# Allegro board C000PD020-3399PRO-DMEB-A-A01.brd (continued)
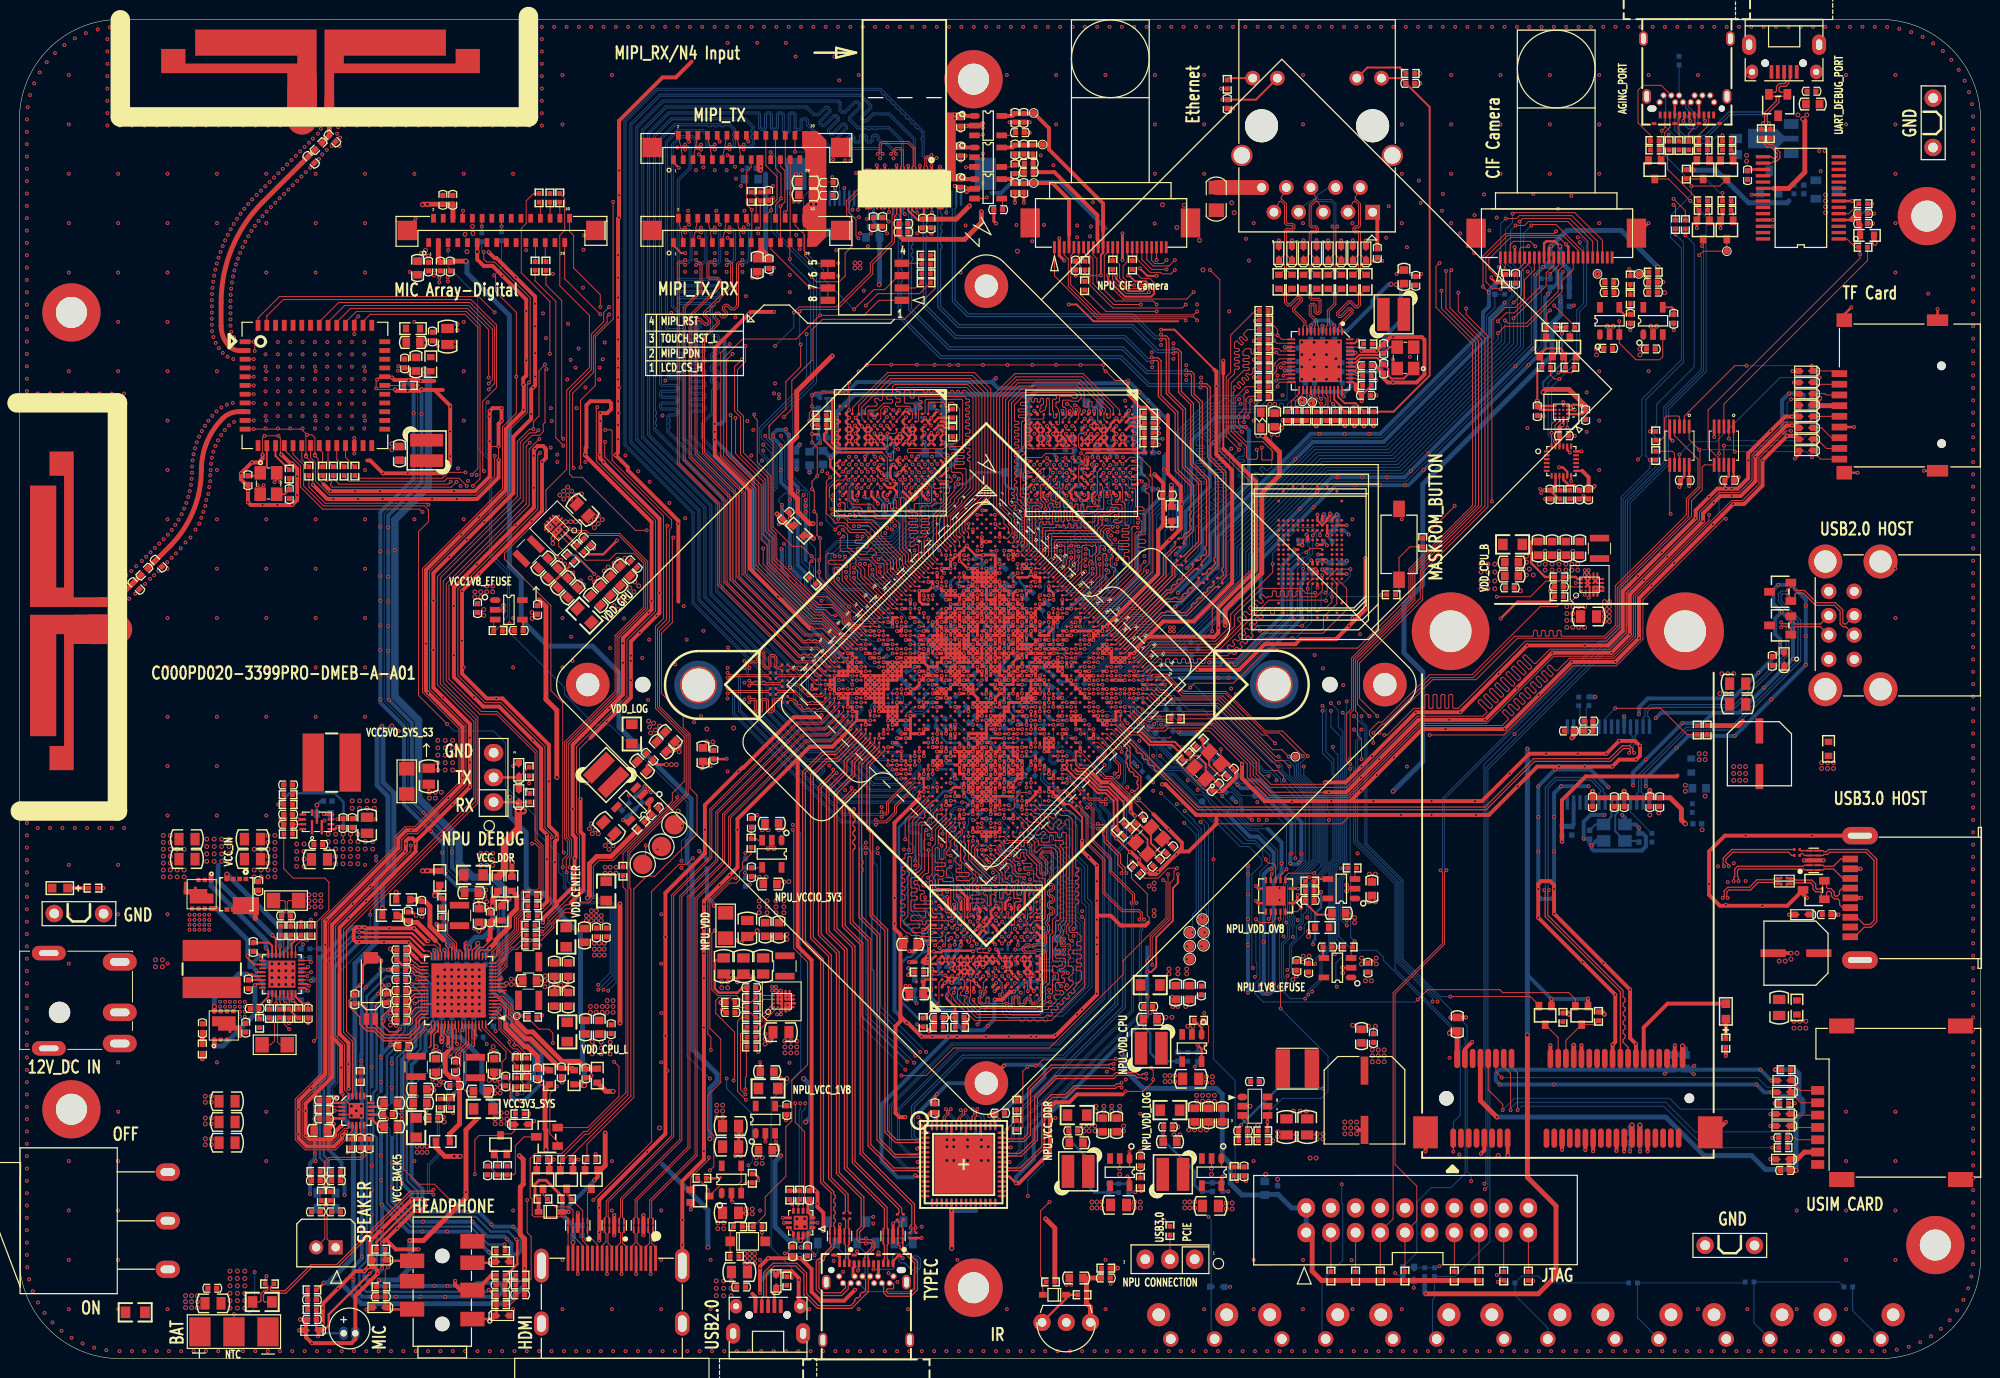
[diagram p0: board, top side]
## Nets (continued)
U3600.T3(VSS17) U3600.T4(VSS18) U3600.T5(VSS19) U3600.T6(VSSQ18) U3600.T12(VSSQ19) U3601.B2(VSS1) U3601.B5(VSS2) U3601.B6(VSSQ1) U3601.B12(VSSQ2) U3601.C3(VSSCA1) U3601.C5(VSS3) U3601.C6(VSSQ3) U3601.D3(VSSCA2) U3601.D12(VSSQ4) U3601.E4(VSS4) U3601.E5(VSS5) U3601.E6(VSSQ5) U3601.F4(VSSCA3) U3601.F5(VSS6) U3601.F6(VSSQ6) U3601.F12(VSSQ7) U3601.G3(VSSCA4) U3601.G4(VSSCA5) U3601.G6(VSSQ8) U3601.G9(VSSQ9) U3601.H2(VSS7) U3601.H10(VSSQ10) U3601.J4(VSSCA6) U3601.J12(VSS8) U3601.K2(VSS9) U3601.K10(VSSQ11) U3601.L6(VSS10) U3601.L9(VSSQ12) U3601.M4(VSSCA7) U3601.M5(VSS11) U3601.M6(VSSQ13) U3601.M12(VSSQ14) U3601.N4(VSS12) U3601.N5(VSS13) U3601.N6(VSSQ15) U3601.P3(VSSCA8) U3601.P12(VSSQ16) U3601.R4(VSS14) U3601.R5(VSS15) U3601.R6(VSSQ17) U3601.T2(VSS16) U3601.T3(VSS17) U3601.T4(VSS18) U3601.T5(VSS19) U3601.T6(VSSQ18) U3601.T12(VSSQ19) U4100.AA4(VSSQ2) U4100.AA6(VSSQ1) U4100.H6(VSS5) U4100.K4(VSSQ5) U4100.M7(VSS4) U4100.P5(VSS3) U4100.R10(VSS2) U4100.T5(VSS6) U4100.U8(VSS1) U4100.Y2(VSSQ4) U4100.Y5(VSSQ3) U4700.2(GND) U4701.2(GND) U4800.2(GND) U4801.2(GND) U4817.2(GND) U6100.1(GND_1) U6100.3(GND_2) U6100.4(GND_3) U6100.5(GND_4) U6100.6(GND_5) U6100.7(GND_6) U6100.8(GND_7) U6100.10(GND_8) U6100.11(GND_9) U6100.23(GND_10) U6100.32(GND_11) U6100.39(GND_12) U6500.47(GND) U6500.49(GND(EPAD)) U7500.4(GNDD) U7500.13(GNDA) U7500.21(PAD) U8200.3(GND#3) U8200.8(GND#8) U8201.3(GND#3) U8201.8(GND#8) U8202.3(GND#3) U8202.8(GND#8) U8300.2(GND) U9000.11(FSYNC) U9000.18(GND) U9000.20(RESV2) U9001.C1(VSS) U9001.D2(CAD1) U9002.2 U9600.2(GND) U9601.2(GND) U9700.7(GND1) U9700.18(GND2) U9700.21(GND3) U9700.25(AGND) U9700.26(TEST) U9701.3 U9702.5(GND) U9702.9(/OE) U9703.2(GND) U9704.5(GND) U9704.9(/OE) U9705.4(GND#4) U9705.7(GND#7) U9705.10(GND#10) U9705.33(GND#33) U9705.36(GND#36) U9705.39(GND#39) U9705.46(GND#46) U9705.49(GND#49) U9705.52(GND#52) U9705.57(E-PAD) U?.47(GNDREF) U?.69(EPAD) Y1100.2(GND#2) Y1100.4(GND#4) Y1101.2(GND#2) Y1101.4(GND#4) Y2100.3 Y2800.2(GND#2) Y2800.4(GND#4) Y6100.2(GND#2) Y6100.4(GND#4) Y6500.2(GND#2) Y6500.4(GND#4)
VBUS_ON: Q9702.1(GATE) R9716.1 R9724.2
VBUS_TYPEC0: C2610.1 C2611.1 C2615.1 J2600.A4(VBUS_1) J2600.A9(VBUS_2) J2600.B4(VBUS_3) J2600.B9(VBUS_4) J2601.1(VUSB) R2611.1 U2600.2(VBUS) U2606.1(VOUT)
VBUS_TYPEC_TEST: C9707.1 J9702.A4(VBUS_1) J9702.A9(VBUS_2) J9702.B4(VBUS_3) J9702.B9(VBUS_4) Q9700.3(DRAIN) U9703.3(IN)
VCC1V5_DVP_S0: C4601.1 C4602.1 C4709.1 J4600.22(DVDD1.5V) R2106.2 R4704.1
VCC1V5_DVP_S0_P: C2112.1 R2106.1 U?.29(LDO5 400MA)
VCC1V5_NPU_CIF: C4809.1 C4847.1 R4804.1 TP4814.1 U4817.5(OUT)
VCC1V8_DDR: C3608.1 C3609.1 C3610.1 C3611.1 C3612.1 C3621.1 C3622.1 C3623.1 C3624.1 C3625.1 R3650.2 U3600.A3(VDD1_1) U3600.A4(VDD1_2) U3600.A5(VDD1_3) U3600.A6(VDD1_4) U3600.A10(VDD1_5) U3600.U3(VDD1_6) U3600.U4(VDD1_7) U3600.U5(VDD1_8) U3600.U6(VDD1_9) U3600.U10(VDD1_10) U3601.A3(VDD1_1) U3601.A4(VDD1_2) U3601.A5(VDD1_3) U3601.A6(VDD1_4) U3601.A10(VDD1_5) U3601.U3(VDD1_6) U3601.U4(VDD1_7) U3601.U5(VDD1_8) U3601.U6(VDD1_9) U3601.U10(VDD1_10)
VCC1V8_DVP: C4603.1 C4604.1 C4703.1 C4704.1 J4600.24(DOVDD1.8V) R4703.1 TP4717.1 U4700.5(OUT)
VCC1V8_EFUSE: C1106.1 C9600.1 R1103.1 U1000.T24(EFUSE) U9600.5(OUT)
VCC1V8_NPU_CIF: C4803.1 C4804.1 J4800.11(DOVDD) R4802.1 TP4817.1 U4800.5(OUT)
VCC2V8_DVP: C4605.1 C4606.1 C4707.1 C4708.1 J4600.17(AVDD2.8V) J4600.18(AF) J4700.4(AVDD) TP4718.1 U4701.5(OUT)
VCC2V8_NPU_CIF: C4807.1 C4808.1 J4800.4(AVDD) TP4818.1 U4801.5(OUT)
VCC3V3_FT232: C9704.1 U9700.17(VO-3V3)
VCC3V3_HUB_S3: C2805.1 C2818.1 FB2800.2 FB2801.2 R2801.2 R2802.1 R2806.2 U2800.24(V33)
VCC3V3_PCIE_S0: C8302.1 C8303.1 C8304.1 C8305.1 C8306.1 C8310.1 C8311.1 C8312.1 C8313.1 J8300.2(3.3VAUX) J8300.24(+3.3VAUX#24) J8300.39(+3.3VAUX#39) J8300.41(+3.3VAUX#41) J8300.52(+3.3VAUX#52) L8300.2 R8302.1 R8303.1 R8304.1 R8305.1
VCC3V3_SD_S0: C9100.1 C9101.1 D9100.1 J9100.4(VDD) R2113.2
VCC3V3_SD_S0_P: C2120.1 R2113.1 U?.6(LDO9 400MA)
VCC3V3_SYS_P: C2107.1 L2101.2 R2103.1 U?.64(FB4)
VCC3V3_SYS_S3: C1404.1 C1407.1 C1433.1 C2123.1 C2608.1 C4104.1 C4105.1 C4706.1 C4721.1 C4806.1 C4821.1 C4845.1 C6110.1 C6111.1 C9601.1 C9603.1 C9708.1 C9710.1 C9939.1 C9940.1 C9941.1 C9942.1 J9711.1 R2103.2 R2806.1 R6112.2 R9006.1 R9827.1 U1000.AA22(USB30_AVDD_3V3) U1000.AB18(TYPEC0_AVDD_3V3) U1000.Y24(USB20_AVDD_3V3) U2102.19(VDD#19) U2102.43(OE) U2102.55(VDD#55) U2600.3(VDD_3) U2600.4(VDD_4) U4100.M6(VCC4) U4100.N5(VCC3) U4100.T10(VCC2) U4100.U9(VCC1) U4700.1(IN) U4701.1(IN) U4800.1(IN) U4801.1(IN) U4817.1(IN) U9600.1(IN) U9601.1(IN) U9702.10(VCC) U9704.10(VCC) U9705.19(VDD#19) U9705.43(OE) U9705.55(VDD#55) U?.57(VCC8)
VCC5V0_FT232: C9702.1 C9703.1 J9701.1(VUSB) U9700.20(VDD-5V) U9703.1(OUT)
VCC5V0_HDM_PORT: C8200.1 C8201.1 D8200.2(K) J8200.18 R8202.1 R8204.1
VCC5V0_HOST0: C2500.1 C2501.1 C2510.1 ED2500.1 J2501.1(VBUS) R2501.2
VCC5V0_HUB_HOST: C2800.1 C2801.1 C2802.1 C2816.1 ED2802.1 J2800.A1(VBUS_A) J2800.B1(VBUS_B) R2805.2 R2807.1
VCC5V0_SYS_S3: C2006.1 C2101.2 C2102.1 C2110.1 C2118.1 C2126.1 C2134.1 C2200.1 C2203.1 C2212.1 C2218.1 C2228.1 C2237.1 C2242.1 C2270.1 C2612.1 C2613.1 C2614.1 C5004.1 C5005.1 C5100.1 C5101.1 C5104.1 C5105.1 C7500.1 C7501.1 D8200.1(A) J5000.28(VSYS_0) J5000.29(VSYS_1) J5000.30(VSYS_2) J5100.28(VSYS_0) J5100.29(VSYS_1) J5100.30(VSYS_2) J5101.28(VCC_VSYS_0) J5101.29(VCC_VSYS_1) J5101.30(VCC_VSYS_2) J7500.1 J7500.2 Q8202.1(GATE) R2000.2 R2020.1 R2630.1 U2200.D1(VIN_1) U2200.D2(VIN_2) U2200.E1(VIN_3) U2200.E2(VIN_4) U2201.D1(VIN_1) U2201.D2(VIN_2) U2201.E1(VIN_3) U2201.E2(VIN_4) U2202.4(VIN) U2203.4(VIN) U2205.4(VIN) U2206.D1(VIN_1) U2206.D2(VIN_2) U2206.E1(VIN_3) U2206.E2(VIN_4) U2208.1(IN) U2209.4(VIN) U2600.12(VCONN_12) U2600.13(VCONN_13) U2606.5(IN) U?.4(VCC7) U?.10(VCC2) U?.11(VCC1) U?.24(VCC3) U?.33(VCC_SPK_HP) U?.54(VCC9) U?.66(VCC4)
VCC5V0_TYPEC0_EN: Q2600.1(GATE) U1000.L34(DDRIO_PWROFF/GPIO0_A1_U)
VCC5V0_USB2.0_S0: C2122.1 R2501.1 R2805.1 U?.55(2.1A SWOUT1)
VCC12V_DCIN: J2000.1 Q9701.3(DRAIN) S2000.1(P1)
VCC_0V9_S0: C1704.1 C1713.1 C1722.1 R2105.2 U1000.AA16(HDMI_AVDD_0V9_1) U1000.AA17(HDMI_AVDD_0V9_2) U1000.H20(EDP_AVDD_0V9)
VCC_0V9_S0_P: C2104.1 R2105.1 U?.20(LDO3 100MA)
VCC_0V9_S3: C1108.1 C1109.1 C1222.1 C1224.1 C1300.1 C1402.1 C1405.1 R1202.1 R1203.1 R1420.2 R1422.2 R2100.2 U1000.L24(EMMC_COREDLL_0V9) U1000.R17(PLL_AVDD_0V9) U1000.R24(PMU_VDD_0V9) U1000.Y18(TYPEC0_AVDD_0V9_2) U1000.Y19(TYPEC0_AVDD_0V9_1) U1000.Y21(USB30_AVDD_0V9_1) U1000.Y22(USB30_AVDD_0V9_2)
VCC_0V9_S3_P: C2100.1 R2100.1 U?.23(LDO1 400MA)
VCC_1P8A: C2138.1 U?.44(VCC_1P8A)
VCC_1P8D: C2137.1 U?.48(VCC_1P8D)
VCC_1V5_S0: C1501.1 R1514.1 R2107.2 U1000.AC8(APIO4_VDDPST)
VCC_1V5_S0_P: C2113.1 R2107.1 U?.31(LDO6 400MA)
VCC_1V8_S0: C1503.1 C1504.1 C1703.1 C1714.1 C1723.1 C1900.1 C1901.1 C1902.1 C7502.2 C7504.1 C7511.1 C9000.1 C9001.1 C9002.1 C9003.1 J7500.6 Q9404.1(GATE) Q9405.1(GATE) R1708.2 R1709.2 R1710.2 R1903.1 R2104.2 R9005.1 R9427.1 R9429.1 U1000.AA8(APIO5_VDDPST) U1000.AD16(HDMI_AVDD_1V8) U1000.J19(EDP_AVDD_1V8_1) U1000.J20(EDP_AVDD_1V8_2) U1000.J22(APIO1_VDDPST) U1000.J24(APIO2_VDDPST) U1000.K23(APIO2_VDD) U1000.Y8(APIO5_VDD) U7500.1(VDDP) U9000.8(VDDIO) U9000.13(VDD) U9000.22(NCS) U9001.A2(CSB) U9001.C4(VID) U9001.D4(RST)
VCC_1V8_S0_P: C2109.1 R2104.1 U?.28(LDO4 400MA)
VCC_1V8_S3: C1104.1 C1105.1 C1107.1 C1110.1 C1111.1 C1301.1 C1403.1 C1406.1 C1505.1 C1602.1 C4101.1 C4102.1 C4103.1 FB1400.2 Q8300.1(GATE) Q8301.1(GATE) R1120.2 R1121.2 R1421.2 R1500.2 R1508.1 R1512.2 R2101.2 R2119.1 R2120.1 R2121.1 R2128.1 R2201.1 R2202.1 R2601.1 R2602.1 R3650.1 R4101.1 R6114.1 R7003.1 R9020.1 U1000.AA18(TYPEC0_AVDD_1V8) U1000.AA21(USB30_AVDD_1V8) U1000.AA24(ADC_AVDD) U1000.AB8(APIO3_VDD_1V8) U1000.K24(EMMC_VDD_1V8) U1000.N24(PMUIO2_VDDPST) U1000.P18(PLL_AVDD_1V8) U1000.P23(PMUIO2_VDD) U1000.P24(PMUIO1_VDD_1V8) U1000.P25(PMU_VDD_1V8) U1300.2(VCCA) U4100.AA3(VCCQ2) U4100.AA5(VCCQ1) U4100.K6(VCCQ5) U4100.W4(VCCQ4) U4100.Y4(VCCQ3)
VCC_1V8_S3_P: C2108.1 R2101.1 U?.21(LDO2 400MA)
VCC_BAT: BT2000.1(V+) C2032.2 C2034.1 C2037.1 C2129.2 R2022.2 R2026.1 R2117.2
VCC_BUCK5_P: C2124.1 C2125.1 L2104.1 R2116.1 U?.59(FB5)
VCC_BUCK5_S3: C2103.1 C2111.1 C2226.1 C2240.1 R2116.2 R2272.1 U2204.1(IN) U2207.1(IN) U?.22(VCC5) U?.30(VCC6)
VCC_CHARGE: C2019.1 C2029.1 C2038.1 R2011.1 R2014.1 S2000.2(P2)
VCC_CPVDD: C2135.1 U?.38(VCC_CPVDD)
VCC_CPVSS: C2136.1 U?.35(VCC_CPVSS)
VCC_DDR_P: C2117.1 L2103.2 R2109.1 R2112.2 U?.26(VBUCK3)
VCC_DDR_S3: C1200.1 C1201.1 C1202.1 C1203.1 C1204.1 C1205.1 C1206.1 C1207.1 C1208.1 C1209.1 C1211.1 C1213.1 C1214.1 C1215.1 C1216.1 C1217.1 C1218.1 C1219.1 C1220.1 C1221.1 C3600.1 C3601.1 C3602.1 C3603.1 C3604.1 C3605.1 C3606.1 C3607.1 C3613.1 C3614.1 C3615.1 C3616.1 C3617.1 C3618.1 C3619.1 C3620.1 C3626.1 C3627.1 C3628.1 C3629.1 C3630.1 C3631.1 C3632.1 C3633.1 C3634.1 C3635.1 C3636.1 C3637.1 C3638.1 C3639.1 C3640.1 C3641.1 C3642.1 C3643.1 R1200.1 R1201.1 R2109.2 R3604.1 R3605.1 R3606.1 R3607.1 U1000.J11(DDR1_VDD_1) U1000.J12(DDR1_VDD_2) U1000.J13(DDR1_VDD_3) U1000.J14(DDR1_VDD_4) U1000.J15(DDR1_VDD_5) U1000.J16(DDR1_VDD_6) U1000.J17(DDR1_VDD_7) U1000.J18(DDR1_VDD_8) U1000.K11(DDR1_VDD_9) U1000.K13(DDR1_VDD_10) U1000.K15(DDR1_VDD_11) U1000.K17(DDR1_VDD_12) U1000.L9(DDR0_VDD_1) U1000.L10(DDR0_VDD_2) U1000.M9(DDR0_VDD_3) U1000.N9(DDR0_VDD_4) U1000.N10(DDR0_VDD_5) U1000.P9(DDR0_VDD_6) U1000.R9(DDR0_VDD_7) U1000.R10(DDR0_VDD_8) U1000.T9(DDR0_VDD_9) U1000.U9(DDR0_VDD_10) U1000.U10(DDR0_VDD_11) U1000.V9(DDR0_VDD_12) U3600.A8(VDD2_20) U3600.A9(VDD2_19) U3600.A11(VDDQ_17) U3600.C12(VDDQ_16) U3600.D4(VDD2_18) U3600.D5(VDD2_17) U3600.D6(VDD2_16) U3600.E8(VDDQ_15) U3600.E12(VDDQ_14) U3600.F2(VDDCA5) U3600.G2(VDDCA4) U3600.G5(VDD2_15) U3600.G12(VDDQ_13) U3600.H3(VDDCA3) U3600.H5(VDD2_14) U3600.H6(VDD2_13) U3600.H8(VDDQ_12) U3600.H9(VDDQ_11) U3600.H11(VDDQ_10) U3600.H12(VDD2_12) U3600.J5(VDD2_11) U3600.J6(VDD2_10) U3600.J9(VDDQ_9) U3600.J10(VDDQ_8) U3600.K5(VDD2_9) U3600.K6(VDD2_8) U3600.K8(VDDQ_7) U3600.K11(VDDQ_6) U3600.K12(VDD2_7) U3600.L2(VDDCA2) U3600.L5(VDD2_6) U3600.L12(VDDQ_5) U3600.M2(VDDCA1) U3600.N8(VDDQ_4) U3600.N12(VDDQ_3) U3600.P4(VDD2_5) U3600.P5(VDD2_4) U3600.P6(VDD2_3) U3600.R12(VDDQ_2) U3600.U8(VDD2_2) U3600.U9(VDD2_1) U3600.U11(VDDQ_1) U3601.A8(VDD2_20) U3601.A9(VDD2_19) U3601.A11(VDDQ_17) U3601.C12(VDDQ_16) U3601.D4(VDD2_18) U3601.D5(VDD2_17) U3601.D6(VDD2_16) U3601.E8(VDDQ_15) U3601.E12(VDDQ_14) U3601.F2(VDDCA5) U3601.G2(VDDCA4) U3601.G5(VDD2_15) U3601.G12(VDDQ_13) U3601.H3(VDDCA3) U3601.H5(VDD2_14) U3601.H6(VDD2_13) U3601.H8(VDDQ_12) U3601.H9(VDDQ_11) U3601.H11(VDDQ_10) U3601.H12(VDD2_12) U3601.J5(VDD2_11) U3601.J6(VDD2_10) U3601.J9(VDDQ_9) U3601.J10(VDDQ_8) U3601.K5(VDD2_9) U3601.K6(VDD2_8) U3601.K8(VDDQ_7) U3601.K11(VDDQ_6) U3601.K12(VDD2_7) U3601.L2(VDDCA2) U3601.L5(VDD2_6) U3601.L12(VDDQ_5) U3601.M2(VDDCA1) U3601.N8(VDDQ_4) U3601.N12(VDDQ_3) U3601.P4(VDD2_5) U3601.P5(VDD2_4) U3601.P6(VDD2_3) U3601.R12(VDDQ_2) U3601.U8(VDD2_2) U3601.U9(VDD2_1) U3601.U11(VDDQ_1)
VCC_IN: C2000.1 C2001.1 C2002.1 C2024.1 C2025.1 C2027.1 C2028.1 C8308.1 C8309.1 Q2002.2(D1_1) Q2002.3(D1_2) Q2002.4(D1_3) Q2004.1(SOURCE1) Q2004.2(SOURCE2) Q2004.3(SOURCE3) R2122.1 U2000.1(VIN) U2003.22(SYS) U8300.5(VIN)
VCC_LAN: C6506.1 C6507.1 C6508.1 C6509.1 C6510.1 C6511.1 C6521.1 C6522.1 L6500.2 R6509.1 R6512.1 R6514.1 R6516.1 R6518.1 R6521.1 R6523.1 R6525.1 R6526.1 R6527.1 R6528.1 R6529.1 R6530.1 R6531.1 R6532.1 R6533.1 R6534.1 U6500.6(AVDD33_1) U6500.15(DVDD33_1) U6500.21(DVDD33_2) U6500.37(DVDD33_3) U6500.41(AVDD33_2) U6500.44(VDDREG1) U6500.45(VDDREG2)
VCC_RTC_S5: C2011.1 C2128.2 R2004.1 U?.45(VCC_RTC)
VCC_RTC_S5_P: R2004.2 U2000.6(LDO)
VCCA3V3_HUB: C2806.1 C2807.1 C2808.1 C2809.1 C2810.1 C2817.1 FB2801.1 U2800.1(AVDD1) U2800.5(AVDD2) U2800.10(AVDD3)
VCCIO_3V0_S0: C1502.1 Q8200.1(GATE) Q8201.1(GATE) R2110.2 R7007.1 R7011.1 R8201.1 R8203.1 R8205.1 U1000.AC9(APIO4_VDD)
VCCIO_3V0_S0_P: C2116.1 R2110.1 U?.3(LDO7 400MA)
VCCIO_3V3_S0: C1903.1 C5002.1 C5003.1 C5102.1 C5103.1 C5106.1 C5107.1 C7503.2 C7505.1 C7510.1 C7512.1 C7513.1 C9005.1 J5000.19(VCC_IO) J5100.19(LCD_VCCIO) J5101.19(VCC_IO) J7500.3 L6500.1 R2115.2 R9428.1 R9430.1 U1000.J23(APIO1_VDD) U7500.5(VDDD) U7500.12(VDDA) U9001.B1(VDD) U9001.D1(CAD0)
VCCIO_3V3_S0_P: C2121.1 R2115.1 U?.58(2.1A SWOUT2)
VCCIO_SD_S0: C1600.1 C9730.1 C9731.1 J9710.1(3.3V_1) J9710.2(3.3V_2) R2111.2 R9702.1 R9728.1 R9729.1 R9730.1 R9731.1 R9732.1 R9733.1 U1000.T23(SDMMC0_VDD)
VCCIO_SD_S0_P: C2119.1 R2111.1 U?.5(LDO8 400MA)
VDD10_EPHY: C6513.1 C6514.1 C6515.1 C6516.1 C6517.1 C6518.1 C6519.1 L6501.2 U6500.3(AVDD10_1) U6500.9(AVDD10_2) U6500.28(DVDD10_1) U6500.36(DVDD10_2) U6500.40(AVDD10)
VDD_CENTER_P: C2105.1 C2106.1 C2156.1 L2100.2 R2102.2 R2150.1
VDD_CENTER_S0: C1022.1 C1023.1 C1024.1 C1025.1 C1026.1 C1027.1 C1028.1 C1029.1 C1038.1 C2156.2 R2102.1 R2150.2 R2155.2 U1000.M11(CENTERLOGIC_VDD_1) U1000.M12(CENTERLOGIC_VDD_2) U1000.M13(CENTERLOGIC_VDD_3) U1000.M14(CENTERLOGIC_VDD_4) U1000.M15(CENTERLOGIC_VDD_5) U1000.N11(CENTERLOGIC_VDD_6) U1000.N12(CENTERLOGIC_VDD_7) U1000.P13(CENTERLOGIC_VDD_8) U1000.P14(CENTERLOGIC_VDD_9) U1000.P15(CENTERLOGIC_VDD_10) U?.13(FB1)
VDD_CPU_B_FB: C2260.1 R2203.1 U1000.N18(BIGCPU_VDD_COM) U2200.A4(VOUT)
VDD_CPU_B_P: C2201.1 C2202.1 C2207.1 C2208.1 C2260.2 L2200.2 R2200.1 R2203.2
VDD_CPU_B_S0: C1009.1 C1011.1 C1012.1 C1013.1 C1014.1 C1015.1 C1016.1 C1017.1 C1018.1 C1019.1 C1020.1 R2200.2 U1000.K19(BIGCPU_VDD_12) U1000.K21(BIGCPU_VDD_13) U1000.L18(BIGCPU_VDD_8) U1000.L19(BIGCPU_VDD_1) U1000.L21(BIGCPU_VDD_2) U1000.L23(BIGCPU_VDD_11) U1000.M18(BIGCPU_VDD_3) U1000.M19(BIGCPU_VDD_4) U1000.M20(BIGCPU_VDD_5) U1000.M21(BIGCPU_VDD_6) U1000.M22(BIGCPU_VDD_7) U1000.N20(BIGCPU_VDD_10) U1000.N22(BIGCPU_VDD_9)
VDD_CPU_L_P: C2114.1 C2115.1 C2155.1 L2102.2 R2108.2 R2151.1
VDD_CPU_L_S0: C1000.1 C1001.1 C1002.1 C1003.1 C1004.1 C1005.1 C1006.1 C1007.1 C1008.1 C2155.2 R2108.1 R2151.2 U1000.P20(LITCPU_VDD_1) U1000.P22(LITCPU_VDD_4) U1000.R19(LITCPU_VDD_2) U1000.R20(LITCPU_VDD_3) U1000.R22(LITCPU_VDD_7) U1000.T20(LITCPU_VDD_6) U1000.T22(LITCPU_VDD_5) U?.8(FB2)
VDD_DDR0_CLK: C1210.1 R1200.2 U1000.M7(DDR0_CLK_VDD)
VDD_DDR1_CLK: C1212.1 R1201.2 U1000.G12(DDR1_CLK_VDD)
VDD_GPU_FB: C2261.1 R2205.1 U1000.T15(GPU_VDD_COM) U2201.A4(VOUT)
VDD_GPU_P: C2204.1 C2205.1 C2210.1 C2211.1 C2261.2 L2201.2 R2204.1 R2205.2
VDD_GPU_S0: C1021.1 C1039.1 C1040.1 C1041.1 C1042.1 C1043.1 C1044.1 C1045.1 C1046.1 C1047.1 C1048.1 C1049.1 C1050.1 C1051.1 C1052.1 C1053.1 C1054.1 R2204.2 U1000.R11(GPU_VDD_8) U1000.R12(GPU_VDD_9) U1000.R13(GPU_VDD_13) U1000.T11(GPU_VDD_10) U1000.T12(GPU_VDD_11) U1000.T13(GPU_VDD_12) U1000.T14(GPU_VDD_14) U1000.U13(GPU_VDD_7) U1000.V11(GPU_VDD_15) U1000.V12(GPU_VDD_16) U1000.V13(GPU_VDD_6) U1000.V14(GPU_VDD_5) U1000.V15(GPU_VDD_4) U1000.V16(GPU_VDD_17) U1000.W10(GPU_VDD_20) U1000.W11(GPU_VDD_1) U1000.W12(GPU_VDD_2) U1000.W14(GPU_VDD_3) U1000.W15(GPU_VDD_19) U1000.W16(GPU_VDD_18)
VDD_LOG_S3: C1010.1 C1030.1 C1031.1 C1032.1 C1033.1 C1034.1 C1035.1 C1036.1 C1037.1 C2275.1 C2276.1 R2155.1 R2251.2 U1000.L17(LOGIC_VDD_10) U1000.M17(LOGIC_VDD_9) U1000.T17(LOGIC_VDD_11) U1000.U17(LOGIC_VDD_8) U1000.U18(LOGIC_VDD_7) U1000.U20(LOGIC_VDD_12) U1000.V18(LOGIC_VDD_5) U1000.V19(LOGIC_VDD_4) U1000.V20(LOGIC_VDD_3) U1000.V21(LOGIC_VDD_2) U1000.V22(LOGIC_VDD_1) U1000.W20(LOGIC_VDD_6)
VDDA: C2030.2 R2023.1 R2025.2 U2003.28(REGN)
VDDIO_WL: C6112.1 C6113.1 R6114.2 U6100.34(VDDIO)
ADC0_HW_ID1: C7506.1 J7500.5 R1508.2 R1509.1 U1000.W27(ADC_IN0)
ADC2_KEY_IN: C1500.1 C7507.1 ED1500.1 J7500.8 R1500.1 R1501.1 R1502.1 U1000.Y28(ADC_IN2)
ADC3_HP_HOOK: C7000.1 R7001.2 R7012.1 U1000.Y27(ADC_IN3)
ADC5_BOARD_ID: C1507.1 R1512.1 R1513.1 U1000.AA27(ADC_IN5)
BATT_TC_L: BT2000.2(TS) C2049.1 U1000.Y29(ADC_IN1)
BT_HOST_WAKE_L: U1000.J35(EMMC_PWRON/GPIO0_A5_U) U6100.50(BT_HOST_WAKE)
BT_REG_ON_H: U1000.AF8(SDIO0_BKPWR/GPIO2_D4_D) U6100.38(BT_REG_ON)
BT_WAKE_L: U1000.AJ5(SDIO0_DETN/PCIE_CLKREQN/GPIO2_D) U6100.49(BT_WAKE)
CC1: J9702.A5(CC1) R9712.1
CC2: J9702.B5(CC2) R9713.1
CHG_OK_H: U1000.D39(ISP0_SHUTTER_TRIG/ISP1_SHUTTER_) U2003.4(CHRG_OK)
CIF_CLKI: C4700.1 R4700.1 U1000.H26(I2C6_SCL/SPI2_TXD/CIF_CLKIN/GPI)
CIF_CLKIN: J4700.17(PCLK) R4700.2
CIF_CLKO: R1900.2 R4701.1
CIF_CLKOUT: C4701.1 J4700.13(XCLK1) R4701.2
